# KiCad board Julelys LED.kicad_pcb (continued)
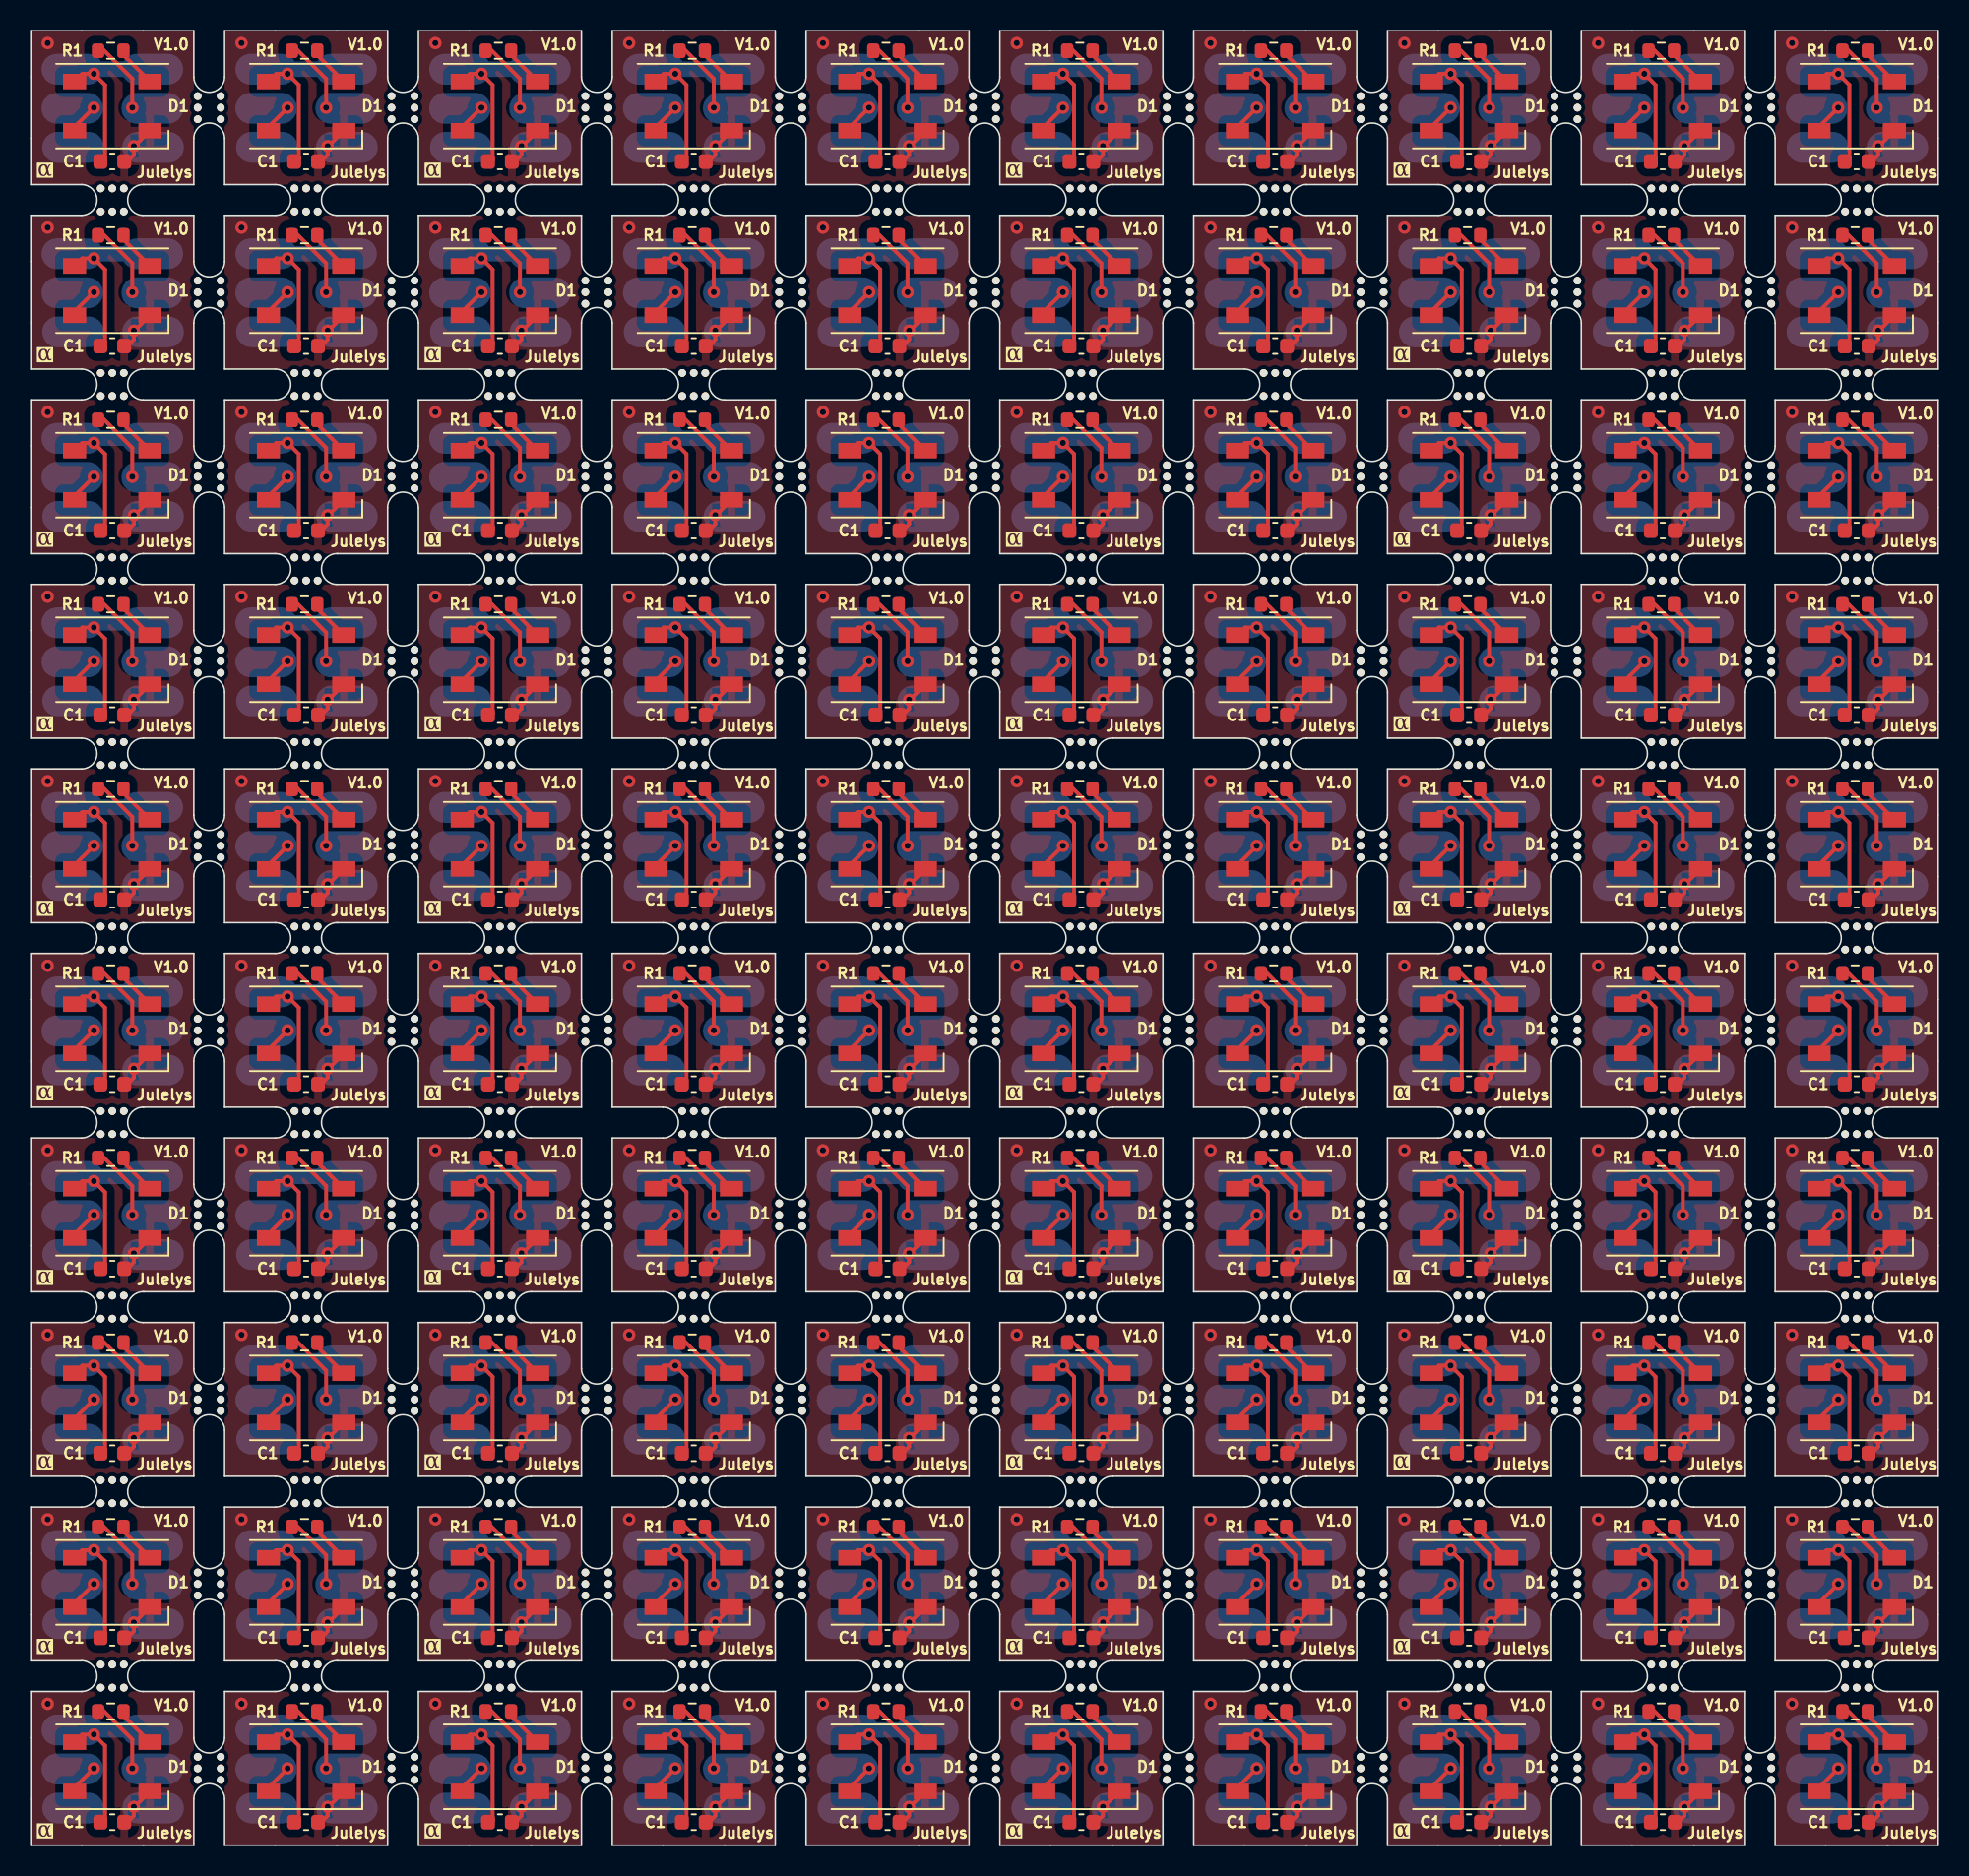
[diagram p0: board, top side]
## Routing (per net, layer and track width the routed paths; a pad name or vN(x,y) marks a point on that pad's centre or on a via; arc(x,y) is an arc through that point) (continued)
DIN: length 488
  Top w0.25: v1(6.6,64.99) 6.6,66.87 4.48,68.99 ; 4.48,20.99 6.6,18.87 v1(6.6,16.99) ; v1(120,5) 120,6.88 117.88,9 ; v1(31.8,5) 31.8,6.88 29.67,9 ; 42.28,56.99 44.4,54.87 v1(44.4,52.99) ; 42.28,92.99 44.4,90.87 v1(44.4,88.99) ; 105.27,104.99 107.4,102.87 v1(107.4,100.99) ; v1(82.2,5) 82.2,6.88 80.08,9 ; 29.67,116.99 31.8,114.87 v1(31.8,112.99) ; v1(6.6,100.99) 6.6,102.87 4.48,104.99 ; v1(69.6,100.99) 69.6,102.87 67.48,104.99 ; v1(120,76.99) 120,78.87 117.88,80.99 ; 29.67,44.99 31.8,42.87 v1(31.8,40.99) ; 117.88,68.99 120,66.87 v1(120,64.99) ; v1(82.2,112.99) 82.2,114.87 80.08,116.99 ; 92.67,44.99 94.8,42.87 v1(94.8,40.99) ; v1(19.2,40.99) 19.2,42.87 17.08,44.99 ; 80.08,104.99 82.2,102.87 v1(82.2,100.99) ; v1(82.2,88.99) 82.2,90.87 80.08,92.99 ; v1(94.8,76.99) 94.8,78.87 92.67,80.99 ; 67.48,20.99 69.6,18.87 v1(69.6,16.99) ; 29.67,68.99 31.8,66.87 v1(31.8,64.99) ; v1(6.6,52.99) 6.6,54.87 4.48,56.99 ; 54.88,92.99 57,90.87 v1(57,88.99) ; v1(107.4,28.99) 107.4,30.87 105.27,32.99 ; v1(82.2,40.99) 82.2,42.87 80.08,44.99 ; v1(82.2,16.99) 82.2,18.87 80.08,20.99 ; 17.08,9 19.2,6.88 v1(19.2,5) ; v1(57,52.99) 57,54.87 54.88,56.99 ; 67.48,80.99 69.6,78.87 v1(69.6,76.99) ; v1(107.4,40.99) 107.4,42.87 105.27,44.99 ; 29.67,92.99 31.8,90.87 v1(31.8,88.99) ; 105.27,9 107.4,6.88 v1(107.4,5) ; v1(44.4,5) 44.4,6.88 42.28,9 ; v1(94.8,5) 94.8,6.88 92.67,9 ; 92.67,68.99 94.8,66.87 v1(94.8,64.99) ; v1(94.8,16.99) 94.8,18.87 92.67,20.99 ; v1(57,112.99) 57,114.87 54.88,116.99 ; v1(82.2,76.99) 82.2,78.87 80.08,80.99 ; 17.08,92.99 19.2,90.87 v1(19.2,88.99) ; 17.08,68.99 19.2,66.87 v1(19.2,64.99) ; 17.08,116.99 19.2,114.87 v1(19.2,112.99) ; v1(6.6,88.99) 6.6,90.87 4.48,92.99 ; v1(107.4,52.99) 107.4,54.87 105.27,56.99 ; v1(44.4,76.99) 44.4,78.87 42.28,80.99 ; v1(57,64.99) 57,66.87 54.88,68.99 ; 80.08,68.99 82.2,66.87 v1(82.2,64.99) ; v1(94.8,112.99) 94.8,114.87 92.67,116.99 ; 67.48,68.99 69.6,66.87 v1(69.6,64.99) ; 17.08,20.99 19.2,18.87 v1(19.2,16.99) ; 92.67,92.99 94.8,90.87 v1(94.8,88.99) ; 105.27,20.99 107.4,18.87 v1(107.4,16.99) ; 54.88,32.99 57,30.87 v1(57,28.99) ; v1(107.4,88.99) 107.4,90.87 105.27,92.99 ; 29.67,104.99 31.8,102.87 v1(31.8,100.99) ; 42.28,32.99 44.4,30.87 v1(44.4,28.99) ; 17.08,80.99 19.2,78.87 v1(19.2,76.99) ; 67.48,92.99 69.6,90.87 v1(69.6,88.99) ; v1(82.2,52.99) 82.2,54.87 80.08,56.99 ; v1(6.6,28.99) 6.6,30.87 4.48,32.99 ; v1(31.8,52.99) 31.8,54.87 29.67,56.99 ; 67.48,56.99 69.6,54.87 v1(69.6,52.99) ; 42.28,104.99 44.4,102.87 v1(44.4,100.99) ; 4.48,44.99 6.6,42.87 v1(6.6,40.99) ; v1(120,88.99) 120,90.87 117.88,92.99 ; 117.88,32.99 120,30.87 v1(120,28.99) ; 17.08,32.99 19.2,30.87 v1(19.2,28.99) ; v1(120,112.99) 120,114.87 117.88,116.99 ; 42.28,68.99 44.4,66.87 v1(44.4,64.99) ; v1(69.6,5) 69.6,6.88 67.48,9 ; v1(57,16.99) 57,18.87 54.88,20.99 ; 105.27,80.99 107.4,78.87 v1(107.4,76.99) ; 67.48,32.99 69.6,30.87 v1(69.6,28.99) ; v1(120,100.99) 120,102.87 117.88,104.99 ; 117.88,20.99 120,18.87 v1(120,16.99) ; 29.67,20.99 31.8,18.87 v1(31.8,16.99) ; v1(31.8,28.99) 31.8,30.87 29.67,32.99 ; 4.48,9 6.6,6.88 v1(6.6,5) ; 105.27,116.99 107.4,114.87 v1(107.4,112.99) ; v1(82.2,28.99) 82.2,30.87 80.08,32.99 ; v1(31.8,76.99) 31.8,78.87 29.67,80.99 ; 17.08,56.99 19.2,54.87 v1(19.2,52.99) ; 54.88,9 57,6.88 v1(57,5) ; v1(57,76.99) 57,78.87 54.88,80.99 ; v1(44.4,40.99) 44.4,42.87 42.28,44.99 ; 54.88,104.99 57,102.87 v1(57,100.99) ; v1(44.4,112.99) 44.4,114.87 42.28,116.99 ; v1(69.6,40.99) 69.6,42.87 67.48,44.99 ; 117.88,44.99 120,42.87 v1(120,40.99) ; v1(107.4,64.99) 107.4,66.87 105.27,68.99 ; 117.88,56.99 120,54.87 v1(120,52.99) ; v1(57,40.99) 57,42.87 54.88,44.99 ; v1(94.8,28.99) 94.8,30.87 92.67,32.99 ; v1(94.8,100.99) 94.8,102.87 92.67,104.99 ; 42.28,20.99 44.4,18.87 v1(44.4,16.99) ; v1(69.6,112.99) 69.6,114.87 67.48,116.99 ; v1(6.6,76.99) 6.6,78.87 4.48,80.99 ; 92.67,56.99 94.8,54.87 v1(94.8,52.99) ; v1(6.6,112.99) 6.6,114.87 4.48,116.99 ; v1(19.2,100.99) 19.2,102.87 17.08,104.99
DOUT: length 201.8
  Top w0.25: D1#12.4 91.05,99.74 v1(92.3,100.99) ; D1#58.4 116.25,15.74 v1(117.5,16.99) ; D1#39.4 65.85,15.74 v1(67.1,16.99) ; D1#50.4 53.25,87.74 v1(54.5,88.99) ; v1(16.7,100.99) 15.45,99.74 D1#86.4 ; D1#69.4 2.85,27.74 v1(4.1,28.99) ; v1(16.7,16.99) 15.45,15.74 D1#63.4 ; D1#99.4 2.85,63.74 v1(4.1,64.99) ; D1#60.4 116.25,99.74 v1(117.5,100.99) ; v1(104.9,112.99) 103.65,111.74 D1#94.4 ; v1(54.5,40.99) 53.25,39.74 D1#9.4 ; D1#4.4 103.65,63.74 v1(104.9,64.99) ; D1#21.4 78.45,87.74 v1(79.7,88.99) ; v1(41.9,40.99) 40.65,39.74 D1#27.4 ; v1(16.7,5) 15.45,3.75 D1#73.4 ; v1(117.5,28.99) 116.25,27.74 D1#18.4 ; D1#59.4 103.65,27.74 v1(104.9,28.99) ; D1#74.4 15.45,111.74 v1(16.7,112.99) ; D1#89.4 103.65,75.74 v1(104.9,76.99) ; v1(4.1,100.99) 2.85,99.74 D1#40.4 ; D1#70.4 2.85,3.75 v1(4.1,5) ; D1#6.4 53.25,75.74 v1(54.5,76.99) ; D1#25.4 40.65,15.74 v1(41.9,16.99) ; v1(79.7,40.99) 78.45,39.74 D1#62.4 ; v1(54.5,5) 53.25,3.75 D1#8.4 ; v1(29.3,112.99) 28.05,111.74 D1#35.4 ; v1(41.9,64.99) 40.65,63.74 D1#2.4 ; v1(92.3,5) 91.05,3.75 D1#28.4 ; D1#45.4 78.45,63.74 v1(79.7,64.99) ; D1#61.4 15.45,27.74 v1(16.7,28.99) ; v1(104.9,52.99) 103.65,51.74 D1#98.4 ; v1(4.1,76.99) 2.85,75.74 D1#95.4 ; v1(29.3,52.99) 28.05,51.74 D1#93.4 ; D1#80.4 65.85,27.74 v1(67.1,28.99) ; v1(117.5,76.99) 116.25,75.74 D1#66.4 ; v1(104.9,88.99) 103.65,87.74 D1#3.4 ; v1(92.3,112.99) 91.05,111.74 D1#57.4 ; D1#53.4 65.85,111.74 v1(67.1,112.99) ; v1(16.7,52.99) 15.45,51.74 D1#44.4 ; v1(92.3,64.99) 91.05,63.74 D1#19.4 ; v1(92.3,76.99) 91.05,75.74 D1#100.4 ; v1(4.1,16.99) 2.85,15.74 D1#77.4 ; v1(16.7,40.99) 15.45,39.74 D1#54.4 ; v1(41.9,88.99) 40.65,87.74 D1#82.4 ; v1(117.5,64.99) 116.25,63.74 D1#52.4 ; v1(67.1,76.99) 65.85,75.74 D1#97.4 ; v1(41.9,28.99) 40.65,27.74 D1#47.4 ; v1(79.7,5) 78.45,3.75 D1#15.4 ; D1#11.4 2.85,111.74 v1(4.1,112.99) ; D1#5.4 28.05,99.74 v1(29.3,100.99) ; D1#20.4 53.25,99.74 v1(54.5,100.99) ; v1(104.9,16.99) 103.65,15.74 D1#46.4 ; D1#78.4 53.25,15.74 v1(54.5,16.99) ; D1#22.4 40.65,111.74 v1(41.9,112.99) ; D1#67.4 28.05,75.74 v1(29.3,76.99) ; D1#83.4 28.05,87.74 v1(29.3,88.99) ; v1(92.3,52.99) 91.05,51.74 D1#51.4 ; D1#38.4 40.65,75.74 v1(41.9,76.99) ; v1(67.1,88.99) 65.85,87.74 D1#90.4 ; v1(104.9,40.99) 103.65,39.74 D1#88.4 ; v1(117.5,5) 116.25,3.75 D1#16.4 ; D1#32.4 91.05,15.74 v1(92.3,16.99) ; v1(79.7,100.99) 78.45,99.74 D1#68.4 ; v1(104.9,100.99) 103.65,99.74 D1#24.4 ; v1(92.3,40.99) 91.05,39.74 D1#26.4 ; v1(79.7,112.99) 78.45,111.74 D1#31.4 ; D1#23.4 2.85,39.74 v1(4.1,40.99) ; v1(117.5,88.99) 116.25,87.74 D1#84.4 ; v1(117.5,112.99) 116.25,111.74 D1#10.4 ; D1#30.4 91.05,87.74 v1(92.3,88.99) ; v1(29.3,40.99) 28.05,39.74 D1#55.4 ; D1#17.4 15.45,75.74 v1(16.7,76.99) ; v1(41.9,5) 40.65,3.75 D1#48.4 ; D1#7.4 116.25,39.74 v1(117.5,40.99) ; v1(54.5,52.99) 53.25,51.74 D1#56.4 ; D1#42.4 65.85,3.75 v1(67.1,5) ; D1#29.4 78.45,51.74 v1(79.7,52.99) ; v1(16.7,64.99) 15.45,63.74 D1#87.4 ; D1#75.4 53.25,63.74 v1(54.5,64.99) ; v1(29.3,5) 28.05,3.75 D1#34.4 ; D1#49.4 65.85,99.74 v1(67.1,100.99) ; v1(117.5,52.99) 116.25,51.74 D1#37.4 ; v1(104.9,5) 103.65,3.75 D1#41.4 ; D1#64.4 28.05,15.74 v1(29.3,16.99) ; v1(79.7,28.99) 78.45,27.74 D1#79.4 ; D1.4 28.05,27.74 v1(29.3,28.99) ; D1#91.4 28.05,63.74 v1(29.3,64.99) ; D1#81.4 53.25,27.74 v1(54.5,28.99) ; D1#96.4 65.85,39.74 v1(67.1,40.99) ; v1(4.1,88.99) 2.85,87.74 D1#72.4 ; v1(41.9,52.99) 40.65,51.74 D1#71.4 ; v1(79.7,16.99) 78.45,15.74 D1#36.4 ; D1#76.4 2.85,51.74 v1(4.1,52.99) ; v1(54.5,112.99) 53.25,111.74 D1#92.4 ; D1#13.4 65.85,63.74 v1(67.1,64.99) ; D1#33.4 15.45,87.74 v1(16.7,88.99) ; v1(79.7,76.99) 78.45,75.74 D1#85.4 ; v1(67.1,52.99) 65.85,51.74 D1#14.4 ; D1#43.4 91.05,27.74 v1(92.3,28.99) ; v1(41.9,100.99) 40.65,99.74 D1#65.4
Net-(D1-DIN): length 297.3
  Top w0.25: D1#78.2 56.52,20.32 56.52,20.99 ; 69.13,92.99 69.13,92.32 D1#90.2 ; 31.33,104.99 31.33,104.32 D1#5.2 ; 56.52,68.99 56.52,68.32 D1#75.2 ; D1.2 31.33,32.32 31.33,32.99 ; 94.33,44.99 94.33,44.32 D1#26.2 ; D1#70.2 6.12,8.32 6.12,9 ; 43.92,20.99 43.92,20.32 D1#25.2 ; D1#83.2 31.33,92.32 31.33,92.99 ; 6.12,32.99 6.12,32.32 D1#69.2 ; D1#46.2 106.92,20.32 106.92,20.99 ; D1#32.2 94.33,20.32 94.33,20.99 ; D1#97.2 69.13,80.32 69.13,80.99 ; D1#22.2 43.92,116.32 43.92,116.99 ; 94.33,56.99 94.33,56.32 D1#51.2 ; 81.73,80.99 81.73,80.32 D1#85.2 ; D1#79.2 81.73,32.32 81.73,32.99 ; D1#34.2 31.33,8.32 31.33,9 ; D1#71.2 43.92,56.32 43.92,56.99 ; 43.92,32.99 43.92,32.32 D1#47.2 ; 106.92,116.99 106.92,116.32 D1#94.2 ; D1#55.2 31.33,44.32 31.33,44.99 ; 69.13,68.99 69.13,68.32 D1#13.2 ; 119.52,9 119.52,8.32 D1#16.2 ; D1#89.2 106.92,80.32 106.92,80.99 ; D1#67.2 31.33,80.32 31.33,80.99 ; 69.13,9 69.13,8.32 D1#42.2 ; 43.92,80.99 43.92,80.32 D1#38.2 ; D1#18.2 119.52,32.32 119.52,32.99 ; 106.92,44.99 106.92,44.32 D1#88.2 ; D1#68.2 81.73,104.32 81.73,104.99 ; D1#10.2 119.52,116.32 119.52,116.99 ; 94.33,80.99 94.33,80.32 D1#100.2 ; 6.12,116.99 6.12,116.32 D1#11.2 ; D1#57.2 94.33,116.32 94.33,116.99 ; 43.92,44.99 43.92,44.32 D1#27.2 ; 18.73,44.99 18.73,44.32 D1#54.2 ; D1#56.2 56.52,56.32 56.52,56.99 ; D1#45.2 81.73,68.32 81.73,68.99 ; 6.12,80.99 6.12,80.32 D1#95.2 ; D1#65.2 43.92,104.32 43.92,104.99 ; D1#44.2 18.73,56.32 18.73,56.99 ; D1#81.2 56.52,32.32 56.52,32.99 ; D1#15.2 81.73,8.32 81.73,9 ; D1#73.2 18.73,8.32 18.73,9 ; D1#99.2 6.12,68.32 6.12,68.99 ; 56.52,44.99 56.52,44.32 D1#9.2 ; 31.33,116.99 31.33,116.32 D1#35.2 ; D1#41.2 106.92,8.32 106.92,9 ; 106.92,32.99 106.92,32.32 D1#59.2 ; D1#29.2 81.73,56.32 81.73,56.99 ; 94.33,104.99 94.33,104.32 D1#12.2 ; D1#66.2 119.52,80.32 119.52,80.99 ; D1#82.2 43.92,92.32 43.92,92.99 ; D1#86.2 18.73,104.32 18.73,104.99 ; D1#76.2 6.12,56.32 6.12,56.99 ; 56.52,9 56.52,8.32 D1#8.2 ; 106.92,68.99 106.92,68.32 D1#4.2 ; 43.92,68.99 43.92,68.32 D1#2.2 ; D1#98.2 106.92,56.32 106.92,56.99 ; 31.33,56.99 31.33,56.32 D1#93.2 ; D1#96.2 69.13,44.32 69.13,44.99 ; 18.73,20.99 18.73,20.32 D1#63.2 ; 69.13,20.99 69.13,20.32 D1#39.2 ; D1#37.2 119.52,56.32 119.52,56.99 ; 18.73,92.99 18.73,92.32 D1#33.2 ; 81.73,20.99 81.73,20.32 D1#36.2 ; D1#52.2 119.52,68.32 119.52,68.99 ; 69.13,116.99 69.13,116.32 D1#53.2 ; D1#64.2 31.33,20.32 31.33,20.99 ; 6.12,44.99 6.12,44.32 D1#23.2 ; D1#60.2 119.52,104.32 119.52,104.99 ; D1#92.2 56.52,116.32 56.52,116.99 ; 106.92,92.99 106.92,92.32 D1#3.2 ; 18.73,68.99 18.73,68.32 D1#87.2 ; D1#48.2 43.92,8.32 43.92,9 ; D1#50.2 56.52,92.32 56.52,92.99 ; 18.73,80.99 18.73,80.32 D1#17.2 ; 6.12,104.99 6.12,104.32 D1#40.2 ; 6.12,92.99 6.12,92.32 D1#72.2 ; D1#62.2 81.73,44.32 81.73,44.99 ; D1#28.2 94.33,8.32 94.33,9 ; D1#20.2 56.52,104.32 56.52,104.99 ; 119.52,20.99 119.52,20.32 D1#58.2 ; 31.33,68.99 31.33,68.32 D1#91.2 ; 119.52,92.99 119.52,92.32 D1#84.2 ; 94.33,68.99 94.33,68.32 D1#19.2 ; D1#7.2 119.52,44.32 119.52,44.99 ; 69.13,56.99 69.13,56.32 D1#14.2 ; D1#24.2 106.92,104.32 106.92,104.99 ; D1#61.2 18.73,32.32 18.73,32.99 ; 69.13,32.99 69.13,32.32 D1#80.2 ; D1#74.2 18.73,116.32 18.73,116.99 ; D1#21.2 81.73,92.32 81.73,92.99 ; 56.52,80.99 56.52,80.32 D1#6.2 ; 94.33,32.99 94.33,32.32 D1#43.2 ; 94.33,92.99 94.33,92.32 D1#30.2 ; 6.12,20.99 6.12,20.32 D1#77.2 ; D1#31.2 81.73,116.32 81.73,116.99 ; D1#49.2 69.13,104.32 69.13,104.99

## Copper pours and planes (outline as drawn; the poured copper is in the pictures)
GND on Top, Bottom: 63,45.99 73.6,45.99 73.6,35.99 63,35.99
GND on Top, Bottom: 50.4,33.99 61,33.99 61,23.99 50.4,23.99
GND on Top, Bottom: 113.4,21.99 124,21.99 124,11.99 113.4,11.99
GND on Top, Bottom: 37.8,69.99 48.4,69.99 48.4,59.99 37.8,59.99
GND on Top, Bottom: 50.4,45.99 61,45.99 61,35.99 50.4,35.99
GND on Top, Bottom: 50.4,57.99 61,57.99 61,47.99 50.4,47.99
GND on Top, Bottom: 113.4,45.99 124,45.99 124,35.99 113.4,35.99
GND on Top, Bottom: 75.6,10 86.2,10 86.2,0 75.6,0
GND on Top, Bottom: 63,117.99 73.6,117.99 73.6,107.99 63,107.99
GND on Top, Bottom: 63,69.99 73.6,69.99 73.6,59.99 63,59.99
GND on Top, Bottom: 37.8,21.99 48.4,21.99 48.4,11.99 37.8,11.99
GND on Top, Bottom: 75.6,45.99 86.2,45.99 86.2,35.99 75.6,35.99
GND on Top, Bottom: 63,33.99 73.6,33.99 73.6,23.99 63,23.99
GND on Top, Bottom: 50.4,81.99 61,81.99 61,71.99 50.4,71.99
GND on Top, Bottom: 37.8,57.99 48.4,57.99 48.4,47.99 37.8,47.99
GND on Top, Bottom: 0,69.99 10.6,69.99 10.6,59.99 0,59.99
GND on Top, Bottom: 12.6,57.99 23.2,57.99 23.2,47.99 12.6,47.99
GND on Top, Bottom: 25.2,69.99 35.8,69.99 35.8,59.99 25.2,59.99
GND on Top, Bottom: 100.8,57.99 111.4,57.99 111.4,47.99 100.8,47.99
GND on Top, Bottom: 100.8,45.99 111.4,45.99 111.4,35.99 100.8,35.99
GND on Top, Bottom: 88.2,45.99 98.8,45.99 98.8,35.99 88.2,35.99
GND on Top, Bottom: 75.6,33.99 86.2,33.99 86.2,23.99 75.6,23.99
GND on Top, Bottom: 25.2,117.99 35.8,117.99 35.8,107.99 25.2,107.99
GND on Top, Bottom: 113.4,81.99 124,81.99 124,71.99 113.4,71.99
GND on Top, Bottom: 12.6,10 23.2,10 23.2,0 12.6,0
GND on Top, Bottom: 25.2,81.99 35.8,81.99 35.8,71.99 25.2,71.99
GND on Top, Bottom: 0,10 10.6,10 10.6,0 0,0
GND on Top, Bottom: 88.2,105.99 98.8,105.99 98.8,95.99 88.2,95.99
GND on Top, Bottom: 50.4,21.99 61,21.99 61,11.99 50.4,11.99
GND on Top, Bottom: 88.2,93.99 98.8,93.99 98.8,83.99 88.2,83.99
GND on Top, Bottom: 113.4,57.99 124,57.99 124,47.99 113.4,47.99
GND on Top, Bottom: 50.4,69.99 61,69.99 61,59.99 50.4,59.99
GND on Top, Bottom: 100.8,69.99 111.4,69.99 111.4,59.99 100.8,59.99
GND on Top, Bottom: 75.6,69.99 86.2,69.99 86.2,59.99 75.6,59.99
GND on Top, Bottom: 37.8,33.99 48.4,33.99 48.4,23.99 37.8,23.99
GND on Top, Bottom: 88.2,21.99 98.8,21.99 98.8,11.99 88.2,11.99
GND on Top, Bottom: 25.2,33.99 35.8,33.99 35.8,23.99 25.2,23.99
GND on Top, Bottom: 88.2,10 98.8,10 98.8,0 88.2,0
GND on Top, Bottom: 100.8,21.99 111.4,21.99 111.4,11.99 100.8,11.99
GND on Top, Bottom: 25.2,10 35.8,10 35.8,0 25.2,0
GND on Top, Bottom: 113.4,93.99 124,93.99 124,83.99 113.4,83.99
GND on Top, Bottom: 88.2,117.99 98.8,117.99 98.8,107.99 88.2,107.99
GND on Top, Bottom: 50.4,10 61,10 61,0 50.4,0
GND on Top, Bottom: 113.4,105.99 124,105.99 124,95.99 113.4,95.99
GND on Top, Bottom: 75.6,105.99 86.2,105.99 86.2,95.99 75.6,95.99
GND on Top, Bottom: 113.4,10 124,10 124,0 113.4,0
GND on Top, Bottom: 50.4,117.99 61,117.99 61,107.99 50.4,107.99
GND on Top, Bottom: 63,93.99 73.6,93.99 73.6,83.99 63,83.99
GND on Top, Bottom: 12.6,69.99 23.2,69.99 23.2,59.99 12.6,59.99
GND on Top, Bottom: 37.8,10 48.4,10 48.4,0 37.8,0
GND on Top, Bottom: 25.2,45.99 35.8,45.99 35.8,35.99 25.2,35.99
GND on Top, Bottom: 25.2,57.99 35.8,57.99 35.8,47.99 25.2,47.99
GND on Top, Bottom: 88.2,57.99 98.8,57.99 98.8,47.99 88.2,47.99
GND on Top, Bottom: 63,81.99 73.6,81.99 73.6,71.99 63,71.99
GND on Top, Bottom: 63,21.99 73.6,21.99 73.6,11.99 63,11.99
GND on Top, Bottom: 75.6,81.99 86.2,81.99 86.2,71.99 75.6,71.99
GND on Top, Bottom: 100.8,33.99 111.4,33.99 111.4,23.99 100.8,23.99
GND on Top, Bottom: 100.8,93.99 111.4,93.99 111.4,83.99 100.8,83.99
GND on Top, Bottom: 0,21.99 10.6,21.99 10.6,11.99 0,11.99
GND on Top, Bottom: 50.4,93.99 61,93.99 61,83.99 50.4,83.99
GND on Top, Bottom: 0,57.99 10.6,57.99 10.6,47.99 0,47.99
GND on Top, Bottom: 25.2,93.99 35.8,93.99 35.8,83.99 25.2,83.99
GND on Top, Bottom: 88.2,69.99 98.8,69.99 98.8,59.99 88.2,59.99
GND on Top, Bottom: 75.6,117.99 86.2,117.99 86.2,107.99 75.6,107.99
GND on Top, Bottom: 75.6,93.99 86.2,93.99 86.2,83.99 75.6,83.99
GND on Top, Bottom: 100.8,81.99 111.4,81.99 111.4,71.99 100.8,71.99
GND on Top, Bottom: 0,81.99 10.6,81.99 10.6,71.99 0,71.99
GND on Top, Bottom: 50.4,105.99 61,105.99 61,95.99 50.4,95.99
GND on Top, Bottom: 37.8,105.99 48.4,105.99 48.4,95.99 37.8,95.99
GND on Top, Bottom: 12.6,81.99 23.2,81.99 23.2,71.99 12.6,71.99
GND on Top, Bottom: 88.2,33.99 98.8,33.99 98.8,23.99 88.2,23.99
GND on Top, Bottom: 12.6,105.99 23.2,105.99 23.2,95.99 12.6,95.99
GND on Top, Bottom: 12.6,21.99 23.2,21.99 23.2,11.99 12.6,11.99
GND on Top, Bottom: 100.8,10 111.4,10 111.4,0 100.8,0
GND on Top, Bottom: 75.6,21.99 86.2,21.99 86.2,11.99 75.6,11.99
GND on Top, Bottom: 63,105.99 73.6,105.99 73.6,95.99 63,95.99
GND on Top, Bottom: 63,10 73.6,10 73.6,0 63,0
GND on Top, Bottom: 0,93.99 10.6,93.99 10.6,83.99 0,83.99
GND on Top, Bottom: 113.4,33.99 124,33.99 124,23.99 113.4,23.99
GND on Top, Bottom: 12.6,117.99 23.2,117.99 23.2,107.99 12.6,107.99
GND on Top, Bottom: 100.8,117.99 111.4,117.99 111.4,107.99 100.8,107.99
GND on Top, Bottom: 75.6,57.99 86.2,57.99 86.2,47.99 75.6,47.99
GND on Top, Bottom: 25.2,105.99 35.8,105.99 35.8,95.99 25.2,95.99
GND on Top, Bottom: 37.8,117.99 48.4,117.99 48.4,107.99 37.8,107.99
GND on Top, Bottom: 113.4,117.99 124,117.99 124,107.99 113.4,107.99
GND on Top, Bottom: 0,33.99 10.6,33.99 10.6,23.99 0,23.99
GND on Top, Bottom: 12.6,33.99 23.2,33.99 23.2,23.99 12.6,23.99
GND on Top, Bottom: 12.6,93.99 23.2,93.99 23.2,83.99 12.6,83.99
GND on Top, Bottom: 113.4,69.99 124,69.99 124,59.99 113.4,59.99
GND on Top, Bottom: 12.6,45.99 23.2,45.99 23.2,35.99 12.6,35.99
GND on Top, Bottom: 63,57.99 73.6,57.99 73.6,47.99 63,47.99
GND on Top, Bottom: 0,117.99 10.6,117.99 10.6,107.99 0,107.99
GND on Top, Bottom: 0,105.99 10.6,105.99 10.6,95.99 0,95.99
GND on Top, Bottom: 37.8,45.99 48.4,45.99 48.4,35.99 37.8,35.99
GND on Top, Bottom: 37.8,81.99 48.4,81.99 48.4,71.99 37.8,71.99
GND on Top, Bottom: 37.8,93.99 48.4,93.99 48.4,83.99 37.8,83.99
GND on Top, Bottom: 100.8,105.99 111.4,105.99 111.4,95.99 100.8,95.99
GND on Top, Bottom: 25.2,21.99 35.8,21.99 35.8,11.99 25.2,11.99
GND on Top, Bottom: 0,45.99 10.6,45.99 10.6,35.99 0,35.99
GND on Top, Bottom: 88.2,81.99 98.8,81.99 98.8,71.99 88.2,71.99

## Text on the board
B.Silkscreen: OUT | 5V | GND | IN
F.Silkscreen: Julelys | V1.0 | α
